# Altium PCB PCB.PcbDoc (continued)
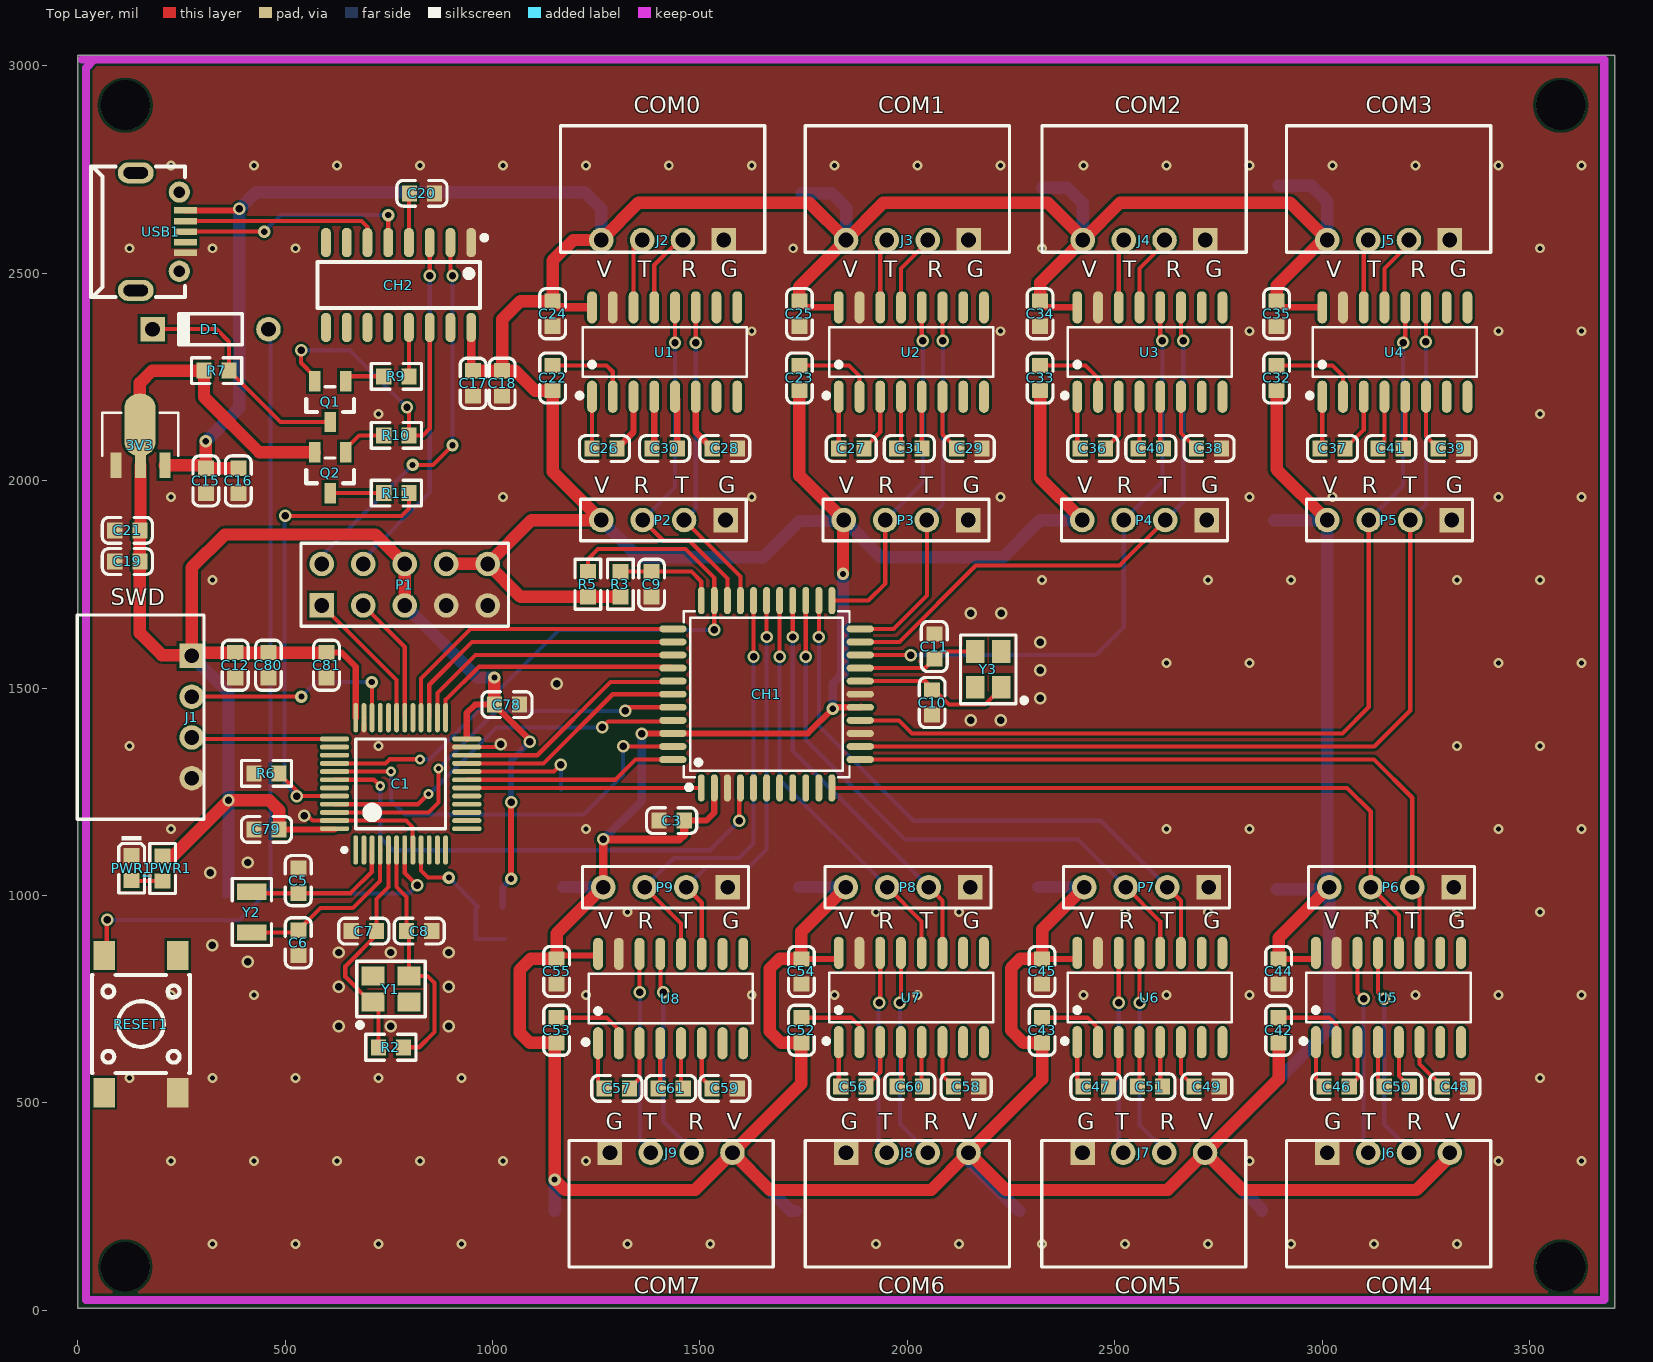
[diagram p0: Top Layer view]
## Part data
3V3: library part CJA1117B-ADJ, BOM_JLCPCB Part Class="Extended Part", BOM_Manufacturer=CJ, BOM_Manufacturer Part=CJA1117B-ADJ, BOM_Supplier=LCSC, BOM_Supplier Part=C107222, spicePre=U, spiceSymbolName=CJA1117B-ADJ
C1: "STM32 ARM-based 32-bit MCU with 64 Kbytes Flash, 48-pin LQFP, Industrial Temperature", ComponentLink1Description="Manufacturer Link", ComponentLink1URL=www.st.com/stm32, ComponentLink2Description=Datasheet, ComponentLink2URL=http://www.st.com/stonline/products/literature/ds/13587.pdf, DatasheetVersion="rev6, Mar-2008", PackageDescription="48-Pin Low-Profile Quad Flat Pack, 7 x 7 mm Body, 0.5 mm Pitch (LQFP48)", PackageReference=LQFP48, PackageVersion=Mar-2008, Published=30-May-2008, Publisher="Altium Limited"
C2 C9 C10 C11 C12 C14 C16 C18 C20 C21 C22 C23 C24 C25 C26 C27 C28 C29 C30 C31 C32 C33 C34 C35 C36 C37 C38 C39 C40 C41 C42 C43 C44 C45 C46 C47 C48 C49 C50 C51 C52 C53 C54 C55 C56 C57 C58 C59 C60 C61: library part "0603 100nF (104) 10% 50V", "贴片电容", Package=0603, SuppliersPartNumber=C14663, ComponentLink1Description=供应商, ComponentLink1URL=http://www.szlcsc.com/product/details_15331.html, Supplier=LC
C3 C4: library part "0603 100pF (101) 5% 50V", "贴片电容", Package=0603, SuppliersPartNumber=C14858, ComponentLink1Description=供应商, ComponentLink1URL=http://www.szlcsc.com/product/details_15530.html, Supplier=LC
C5 C6: library part "0603 10pF (100) 5% 50V", "贴片电容", Package=0603, SuppliersPartNumber=C1634, ComponentLink1Description=供应商, ComponentLink1URL=http://www.szlcsc.com/product/details_1986.html, Supplier=LC
C7 C8: library part "0603 22pF (220) 5% 50V", "贴片电容", Package=0603, SuppliersPartNumber=C1653, ComponentLink1Description=供应商, ComponentLink1URL=http://www.szlcsc.com/product/details_2005.html, Supplier=LC
C13 C17: library part "0603 10uF (106) 10% 10V", "贴片电容", Package=0603, SuppliersPartNumber=C19702, ComponentLink1Description=供应商, ComponentLink1URL=http://www.szlcsc.com/product/details_20411.html, Supplier=LC
C15 C19: library part "0603 22uF (226) 20% 6.3V", "贴片电容", Package=0603, SuppliersPartNumber=C59461, ComponentLink1Description=供应商, ComponentLink1URL=http://www.szlcsc.com/product/details_60514.html, Supplier=LC
C62 C63 C64 C65 C66 C67 C68 C69 C70 C71 C72 C73 C74 C75 C76 C77 C78 C79 C80 C81: library part "0603 1uF (105) 10% 50V", "贴片电容", Package=0603, SuppliersPartNumber=C15849, ComponentLink1Description=供应商, ComponentLink1URL=http://www.szlcsc.com/product/details_16531.html, Supplier=LC
CH2: library part CH340G_[C14267], "USB", Package=SOIC-16_150mil, SuppliersPartNumber=C14267, ComponentLink1Description=供应商, ComponentLink1URL=http://www.szlcsc.com/product/details_14927.html, Supplier=LC
D1: library part "Diode 1N4148", "High Conductance Fast Diode", Code_JEDEC=DO-204-AH, ComponentLink1Description="Manufacturer Link", ComponentLink1URL=http://www.fairchildsemi.com/, ComponentLink2Description=Datasheet, ComponentLink2URL=http://www.fairchildsemi.com/ds/1N%2F1N4148.pdf, DatasheetVersion=1997, LatestRevisionDate=17-Jul-2002, LatestRevisionNote="Re-released for DXP Platform.", PackageDescription="Diode, Axial; Body 3.8 x 1.9 mm (LxDia. max), Lead Dia. 0.53 mm (max)", PackageReference=DO-35, Published=8-Jun-2000, Publisher="Altium Limited"
P1: library part "Header 5X2A", "Header, 5-Pin, Dual row", LatestRevisionDate=17-Jul-2002, LatestRevisionNote="Re-released for DXP Platform.", Publisher="Altium Limited"
P2 P3 P4 P5 P6 P7 P8 P9: "Header, 4-Pin", LatestRevisionDate=17-Jul-2002, LatestRevisionNote="Re-released for DXP Platform.", Publisher="Altium Limited"
PWR1: library part "0603 蓝灯", "发光二极管", Package=0603, SuppliersPartNumber=C72041, ComponentLink1Description=供应商, ComponentLink1URL=http://www.szlcsc.com/product/details_73150.html, Supplier=LC
Q1: library part "SOT-23 SS8050 Y1", "三极管", Package=SOT-23, SuppliersPartNumber=C2150, ComponentLink1Description=供应商, ComponentLink1URL=http://www.szlcsc.com/product/details_2507.html, Supplier=LC
Q2: library part "SOT-23 SS8550 Y2", "三极管", Package=SOT-23, SuppliersPartNumber=C8542, ComponentLink1Description=供应商, ComponentLink1URL=http://www.szlcsc.com/product/details_9037.html, Supplier=LC
R1 R3 R4 R5 R6 R7 R8: library part "0603 10KΩ (1002) 1%", "贴片电阻", Package=0603, SuppliersPartNumber=C25804, ComponentLink1Description=供应商, ComponentLink1URL=http://www.szlcsc.com/product/details_26547.html, Supplier=LC
R2: library part "0603 1MΩ (1004) 1%", "贴片电阻", Package=0603, SuppliersPartNumber=C22935, ComponentLink1Description=供应商, ComponentLink1URL=http://www.szlcsc.com/product/details_23662.html, Supplier=LC
R9 R10 R11 R_PWR1: library part "0603 1KΩ (1001) 1%", "贴片电阻", Package=0603, SuppliersPartNumber=C21190, ComponentLink1Description=供应商, ComponentLink1URL=http://www.szlcsc.com/product/details_21904.html, Supplier=LC
RESET1: BOM_Manufacturer="XKB Connectivity(中国星", BOM_Manufacturer Part=TS-1102SD-C-C-B, BOM_Supplier=LCSC, BOM_Supplier Part=C2935209, Contributor=LCSC, spicePre=S, spiceSymbolName=TS-1102SD-C-C-B
U1 U2 U3 U4 U5 U6 U7 U8: BOM_JLCPCB Part Class="Extended Part", BOM_Manufacturer="Texas Instruments", BOM_Manufacturer Part=MAX232D, BOM_Supplier=LCSC, BOM_Supplier Part=C350552, Contributor=LCSC, spicePre=U, spiceSymbolName=MAX232D
USB1: BOM_JLCPCB Part Class="Extended Part", BOM_Manufacturer="SHOU HAN", BOM_Manufacturer Part=MicroXNJ, BOM_Supplier=LCSC, BOM_Supplier Part=C404969, Contributor=LCSC, spicePre=U, spiceSymbolName=MICROXNJ
Y1 Y3: library part "SMD-3225_4P  12MHZ 20PF 10PPM", "贴片晶振", Package=SMD-3225_4P, SuppliersPartNumber=C9002, ComponentLink1Description=供应商, ComponentLink1URL=http://www.szlcsc.com/product/details_9522.html, Supplier=LC
Y2: library part "SMD-3215_2P 32.768KHz 20ppm 12.5pF", "贴片晶振", Package=SMD-3215_2P, SuppliersPartNumber=C32346, ComponentLink1Description=供应商, ComponentLink1URL=http://www.szlcsc.com/product/details_33310.html, Supplier=LC

## Free pads (board coordinates)
  round 118.11 hole 120: 2(115,105) 2(115,2905) 2(3575,105) 2(3575,2905)

## Via types
v1: diameter 24, hole 12, Top Layer to Bottom Layer, 108 vias
v2: diameter 30, hole 18, Top Layer to Bottom Layer, tented both sides, 58 vias
v3: diameter 30, hole 15, Top Layer to Bottom Layer, tented both sides, 10 vias
v4: diameter 30, hole 18, Top Layer to Bottom Layer, 7 vias
v5: diameter 24, hole 12, Top Layer to Bottom Layer, tented both sides, 5 vias
v6: diameter 30, hole 15, Top Layer to Bottom Layer, 3 vias

## Nets (pads, with @x,y where several pads share a name; then routed paths per layer and width w, separated by ;. In a path a pad name is that pad's centre, name@x,y a point inside that pad or via, vN(x,y) a via of type N, cw(c..) or ccw(c..) an arc to the next point about the centre after c; other vN are vias at no path point)
3V3: 3V3.2 C1.24 C1.36 C1.48 C12.2 C19.2 C21.2 C78.2 C79.2 C80.2 C81.2 J1.1 P1.3 P1.8 Q2.2 R1.2 R4.2 R7.2 R_PWR1.1 | length 4817.2
  Top Layer w15: C79.2 C1.48@619.27,1159.07 ; C81.2 636.38,1585.32 670.45,1551.25 C1.36 ; C1.24 938.16,1440 958.16,1460 C78.2 1090,1374.68 v2(1090,1370) ; v3(1045,1040) v2(1045,1225) v2@1048.66,1221.34
  Top Layer w20: J1.1 J1.1@282.68,1585.32 ; C80.2 C80.2@470,1585.32
  Top Layer w30: 3V3.2@150.32,2134.37 150.32,2235.32 180,2265 R7.2 304.69,2201.5 437.92,2068.27 Q2.2 ; 3V3.2@151.66,2036.97 151.66,1881.35 C21.2 C19.2 150.32,1632.32 203.27,1579.37 J1.1@275,1579.37 ; R_PWR1.1 229.66,1095.32 v2(363.72,1229.37) 462.06,1229.37 485.63,1205.8 C79.2 ; J1.1 J1.1@275,1579.37 ; J1.1@282.68,1585.32 C12.2 C80.2 ; C80.2@470,1585.32 C81.2 ; P1.3 P1.8 717.77,1870 355,1870 275,1790 J1.1@275,1579.37 ; C78.2 v6(1004.69,1525.32)
  Bottom Layer w15: R1.2 R1.2@363.72,1009.03 ; R4.2 1025,1020 v3(1045,1040) ; v2(1045,1225) 1045,1325 v2(1090,1370)
  Bottom Layer w30: J1.1 363.72,1488.92 v2(363.72,1229.37) R1.2@363.72,1009.03 ; P1.3 962.46,1525.32 v6(1004.69,1525.32)
5V: 3V3.3 C3.2 C4.2 C15.2 C16.2 C17.2 C18.1 C22.1 C23.1 C24.1 C25.1 C32.1 C33.1 C34.1 C35.1 C42.1 C43.1 C44.1 C45.1 C52.1 C53.1 C54.1 C55.1 C62.2 C63.2 C64.2 C65.2 C66.2 C67.2 C68.2 C69.2 C70.2 C71.2 C72.2 C73.2 C74.2 C75.2 C76.2 C77.2 CH1.2 CH1.16 CH1.42 CH2.16 J2.4 J3.4 J4.4 J5.4 J6.4 J7.4 J8.4 J9.4 P1.9 P1.10 P2.4 P3.4 P4.4 P5.4 P6.4 P7.4 P8.4 P9.4 R3.2 R5.2 U1.16 U2.16 U3.16 U4.16 U5.16 U6.16 U7.16 U8.16 USB1.1 | length 21008.9
  Top Layer w15: USB1.1 386.18,2651.18 v2(390,2655) ; C17.2@948.72,2269.45 C17.2 ; C55.1 1162.75,855 1248.14,855 U8.16@1254.81,861.67 ; R3.2@1308.43,1719.88 R3.2 ; v2(1360,1390) 1360.51,1390.51 1760.51,1390.51 v6(1820,1450) 1823.5,1453.5 CH1.16 CH1.16@1888.07,1455 ; C3.2 1515.47,1180.47 1534.8,1199.8 CH1.2 ; C23.1@1734.69,2222.38 C23.1 ; C25.1 1755.12,2417.58 U2.16 ; C54.1 1834.49,847.06 1834.62,847.19 U7.16 ; P3.4@1845,1902.95 P3.4 ; C34.1 2335.12,2417.58 U3.16 ; C45.1 2404.69,847.06 2409.54,851.91 U6.16 ; C35.1 2905.12,2417.58 U4.16 ; C44.1 2984.81,847.06 U5.16
  Top Layer w20: C17.2@948.72,2269.45 CH2.16 ; C24.1 1160.12,2417.58 U1.16 ; P9.4 v2(1266.93,1135) 1450,1135 1462.31,1147.31 C3.2
  Top Layer w30: 3V3.3 301.67,2036.97 C15.2 ; v6(309.11,2095) C15.2 ; C16.2 C15.2 ; P1.9 P1.10 ; C17.2 C18.1 ; P9.4 1154.81,907.88 C55.1 1092.06,847.06 1065.32,820.32 1065.32,669.37 1090,644.69 C53.1 1149.81,639.69 v3(1149.81,315) 1174.81,290 1488.43,290 J9.4 ; R3.2@1308.43,1719.88 R5.2 1067.89,1719.88 P1.10 ; C23.1 1740,2011.81 P3.4 ; C25.1 1740,2467.52 J3.4 J3.4@1852.98,2580.5 ; v3(1845,1775) P3.4@1845,1902.95 ; P8.4 1744.81,913.07 C54.1 1692.06,847.06 1668.43,823.43 1668.43,672.44 1696.18,644.69 C52.1 1744.81,546.38 J9.4 ; J3.4@1853.59,2579.88 J3.4@1852.98,2580.5 ; C33.1 2320,2006.73 P4.4 ; C34.1 2320,2476.73 J4.4 J4.4@2425.83,2582.56 ; P7.4 2324.81,918.15 C45.1 2272.06,847.06 2250,825 2250,675 2280.31,644.69 C43.1 2324.81,557.17 J8.4 ; J4.4@2428.51,2579.88 J4.4@2425.83,2582.56 ; C32.1 2890,2027.13 P5.4 ; C35.1 2890,2469.53 3000.35,2579.88 J5.4 2922.24,2670 2513.27,2670 J4.4@2425.83,2582.56 ; C42.1 2894.81,557.17 J7.4 ; C44.1 2894.81,897.76 P6.4 ; J6.4 3307.64,370.59 3227.05,290 2807.64,290 J7.4 ; P1.10 1094.54,1904.88 P2.4 1145,2021.83 C22.1 1102.93,2217.07 1055.31,2264.69 C18.1 ; C18.1 1023.48,2388.48 1067.7,2432.7 C24.1 1145,2530 1194.88,2579.88 J2.4 1352.48,2670 1763.47,2670 J3.4@1852.98,2580.5 ; J9.4 1668.43,290 2057.64,290 J8.4 ; J3.4@1852.98,2580.5 1942.48,2670 2338.39,2670 J4.4@2425.83,2582.56 ; J8.4 2237.64,290 2627.64,290 J7.4
  Bottom Layer w15: J9.4@1581.75,385 J9.4@1586.03,385 ; P7.4@2417.29,1010.63 P7.4 ; P4.4 P4.4@2426.85,1909.88
  Bottom Layer w20: v2(1266.93,1135) 1360,1228.07 v2(1360,1390) ; v6(1820,1450) 1820,1510.63 C4.2
  Bottom Layer w30: v6(309.11,2095) 390,2175.89 v2(390,2655) 430.2,2695.2 C62.2 1222.16,2695.2 1262.36,2655 J2.4 ; P1.10 1094.34,1904.68 C70.2 1261.75,1904.68 P2.4 1351.83,1815 1652.38,1815 C71.2 1844.67,1902.62 P3.4 1936.81,1815 2230.32,1815 C72.2 2421.65,1904.68 P4.4 ; C69.2 v3(1149.81,315) ; C77.2 1266.62,1020.31 P9.4 ; J9.4 1719.13,239.29 C68.2 ; C76.2 1851.42,1020.31 P8.4 ; C63.2 1817.24,2692.76 1852.36,2657.64 J3.4 ; C4.2 1845,1535.63 v3(1845,1775) ; J8.4 2147.64,361.27 C67.2 ; C75.2 2426.34,1020.31 P7.4 ; C64.2 2386.15,2705.51 2423.15,2668.51 J4.4 ; C66.2 2854.62,243.02 J7.4 3017.05,679.41 P6.4 ; C73.2 2885.2,1904.88 P5.4 3012.24,1024.81 P6.4 ; C74.2 3012.37,1015.31 P6.4 ; C65.2 2974.8,2710.2 3012.36,2672.64 J5.4
A6/ALE: C1.42 CH1.4 | length 1229
  Top Layer w10: C1.42 714.66,1278.9 v5(729.5,1264.06) ; v2(1595,1180) 1595,1256.42 CH1.4
  Bottom Layer w10: v5(729.5,1264.06) 729.5,1139.29 759.79,1109 1524,1109 v2(1595,1180)
BOOT0: C1.44 R6.1 R11.1 | length 1203
  Top Layer w10: R6.1 528.72,1251.29 v2(528.72,1239.53) C1.44 ; v2(500,1915) 780.63,1915 798.72,1933.08 R11.1
  Bottom Layer w10: v2@508.4,1915 v2(500,1915) 498.72,1913.72 498.72,1269.53 v2(528.72,1239.53)
BOOT1: C1.20 R8.1 | length 294.1
  Top Layer w10: C1.20 1148.58,1298.58 v2(1165,1315)
  Bottom Layer w10: R8.1 1165.32,1314.69 v2(1165,1315) v2@1165.32,1315
"CH340 D+": CH2.5 USB1.3 | length 571.7
  Top Layer w10: USB1.3 v3(450,2600) ; CH2.5 748.72,2639.93 v3(748.79,2640)
  Bottom Layer w10: v3(450,2600) 490,2640 v3(748.79,2640)
"CH340 D-": CH2.6 USB1.2 | length 482.6
  Top Layer w10: USB1.2 438.82,2625.59 439.23,2626 460.77,2626 461.18,2625.59 684.41,2625.59 698.72,2611.29 CH2.6
CS#: C1.41 CH1.43 | length 1009.9
  Top Layer w10: C1.41 619.74,1299.06 v5(755.32,1299.06) ; v2(1315,1359.69) 1315.67,1359.02 CH1.43
  Bottom Layer w10: v5@755.63,1299.06 v5(755.32,1299.06) 755.32,1228.71 789.03,1195 1220,1195 1315,1290 v2(1315,1359.69)
D0: C1.45 CH1.41 | length 899.5
  Top Layer w10: C1.45 820.79,1219.84 v5(845.32,1244.37) ; v2(1265,1405) 1279,1419 1431.99,1419 CH1.41
  Bottom Layer w10: v5(845.32,1244.37) 848.62,1244.37 1009.25,1405 v2(1265,1405)
D1: C1.46 CH1.40 | length 968.2
  Top Layer w10: C1.46 846.1,1200.16 870.32,1224.37 v5(870.32,1305.5) ; v2(1320,1445) 1328.5,1453.5 CH1.40
  Bottom Layer w10: v5(870.32,1305.5) 1009.19,1444.37 1319.37,1444.37 v2(1320,1445)
D2: C1.21 CH1.39 | length 565.9
  Top Layer w10: C1.21 1123.27,1318.27 1290,1485 CH1.39
D3: C1.22 CH1.38 | length 570.8
  Top Layer w10: C1.22 1107.95,1337.95 1284.36,1514.36 1432.87,1514.36 CH1.38
D4: C1.25 CH1.37 | length 627.5
  Top Layer w10: C1.25 886.98,1472.32 888.27,1472.32 967.26,1551.32 1431.68,1551.32 CH1.37 CH1.37@1435,1549.53
D5: C1.26 CH1.36 | length 664.9
  Top Layer w10: C1.26 867.3,1487.64 959.15,1579.49 CH1.36
D6: C1.27 CH1.35 | length 709.5
  Top Layer w10: C1.27 847.61,1507.95 950.64,1610.98 CH1.35
D7: C1.28 CH1.34 | length 751.2
  Top Layer w10: C1.28 827.93,1523.27 947.14,1642.48 CH1.34
GND: 3V3.1 C1.8 C1.23 C1.35 C1.47 C2.2 C3.1 C4.1 C5.2 C6.2 C7.1 C8.1 C9.1 C10.1 C11.1 C12.1 C13.1 C14.2 C15.1 C16.1 C17.1 C18.2 C19.1 C20.1 C21.1 C24.2 C25.2 C28.1 C29.1 C34.2 C35.2 C38.1 C39.1 C44.2 C45.2 C48.1 C49.1 C54.2 C55.2 C58.1 C59.1 C62.1 C63.1 C64.1 C65.1 C66.1 C67.1 C68.1 C69.1 C70.1 C71.1 C72.1 C73.1 C74.1 C75.1 C76.1 C77.1 C78.1 C79.1 C80.1 C81.1 CH1.3 CH1.14 CH1.17 CH2.1 J1.4 J2.1 J3.1 J4.1 J5.1 J6.1 J7.1 J8.1 J9.1 P1.4 P1.5 P2.1 P3.1 P4.1 P5.1 P6.1 P7.1 P8.1 P9.1 PWR1.K R6.2 R8.2 RESET1.2 U1.15 U2.15 U3.15 U4.15 U5.15 U6.15 U7.15 U8.15 USB1.5 | length 413.9
  Top Layer w10: v2(546.62,1192.05) 554.53,1192.05 566.1,1180.47 C1.47 792.1,1180.47 807.46,1165.11 807.46,1110.39 C1.8 ; C1.35 C1.35@690.91,1427.72 ; C1.23 1013.58,1357.64 v2(1020.32,1364.37)
  other v1: 325,160 525,160 725,160 925,160 1325,160 1525,160 1925,160 2125,160 2325,160 2525,160 2725,160 2925,160 3125,160 3325,160 225,360 425,360 625,360 825,360 1025,360 1225,360 2825,360 3425,360 3625,360 125,560 325,560 525,560 725,560 925,560 3525,560 225,760 425,760 1225,760 1625,760 1825,760 2025,760 2425,760 2625,760 2825,760 3225,760 3425,760 3625,760 1325,960 1925,960 2125,960 2525,960 2725,960 3125,960 3325,960 3525,960 225,1160 1225,1160 2625,1160 2825,1160 3425,1160 3625,1160 125,1360 725,1360 3325,1360 3525,1360 2625,1560 2825,1560 3425,1560 3625,1560 325,1760 2325,1760 2725,1760 2925,1760 3325,1760 3525,1760 225,1960 1025,1960 1625,1960 2225,1960 2825,1960 3025,1960 3425,1960 3625,1960 725,2160 3525,2160 1625,2360 2225,2360 2825,2360 3425,2360 3625,2360 125,2560 325,2560 525,2560 1725,2560 2325,2560 3525,2560 225,2760 425,2760 625,2760 825,2760 1025,2760 1225,2760 1425,2760 1625,2760 1825,2760 2025,2760 2225,2760 2425,2760 2625,2760 2825,2760 3025,2760 3225,2760 3425,2760 3625,2760
  other v2: 630.03,684.37 755.32,684.37 895,684.37 630.03,780 895,780 410,840 630.03,862.43 755.32,862.43 895,862.43 325,880 320,1054.61 410.32,1079.37 1155,1510
  other v4: 2153.01,1422.01 2225,1422.01 2320,1475 2320,1542.43 2320,1610 2153.01,1680 2226.5,1680.61
INT: C1.40 CH1.32 R5.1 | length 1547.8
  Top Layer w10: C1.40 742,1318.27 751.84,1328.11 v5(825.32,1328.11) ; R5.1 1230,1810.46 1254.54,1835 1465,1835 1534.8,1765.2 CH1.32 v2(1534.8,1640)
  Bottom Layer w10: v5(825.32,1328.11) 848.11,1328.11 1160,1640 v2(1534.8,1640)
NetC1_9: C1.9 C13.2 C14.1 R4.1 | length 372.2
  Top Layer w10: C1.9 827.93,1059.84 844.66,1043.11 v3(895,1043.11)
  Bottom Layer w10: v3(895,1043.11) R4.1 959.69,969.06 C14.1 C13.2
NetC20_2: C20.2 CH2.4 | length 123.8
  Top Layer w10: C20.2@798.62,2697.5 798.72,2697.4 CH2.4
NetC22_2: C22.2 U1.2 | length 211.5
  Top Layer w10: C22.2 1274.69,2277.7 1290,2262.38 U1.2
NetC23_2: C23.2 U2.2 | length 205.5
  Top Layer w10: C23.2 1859.49,2277.7 1884.81,2252.38 U2.2
NetC26_1: C26.1 U1.3 | length 141.2
  Top Layer w15: C26.1 1340,2117.07 U1.3
NetC26_2: C26.2 U1.1 | length 124.9
  Top Layer w10: C26.2 1240,2077.7 U1.1
NetC27_1: C27.1 U2.3 | length 141.2
  Top Layer w10: C27.1 1934.81,2116.87 U2.3
NetC27_2: C27.2 U2.1 | length 124.9
  Top Layer w10: C27.2 1834.69,2202.06 U2.1
NetC28_2: C28.2 U1.6 | length 141.2
  Top Layer w15: U1.6 1490,2117.07 C28.2
NetC29_2: C29.2 U2.6 | length 139
  Top Layer w10: U2.6 2084.81,2111.67 C29.2
NetC30_1: C30.1 U1.5 | length 127
  Top Layer w15: U1.5 1445.32,2196.87 C30.1
NetC30_2: C30.2 U1.4 | length 127
  Top Layer w15: C30.2 1390,2082.7 U1.4
NetC31_1: C31.1 U2.5 | length 125
  Top Layer w10: U2.5 2034.81,2077.89 C31.1
NetC31_2: C31.2 U2.4 | length 129
  Top Layer w10: C31.2 1984.81,2087.5 U2.4
NetC32_2: C32.2 U4.2 | length 220.7
  Top Layer w10: C32.2 3024.69,2277.7 3050.12,2252.26 U4.2
NetC33_2: C33.2 U3.2 | length 197.6
  Top Layer w10: C33.2 2429.69,2277.7 2459.73,2247.65 U3.2
NetC36_1: C36.1 U3.3 | length 138.2
  Top Layer w10: C36.1 2509.73,2109.63 U3.3
NetC36_2: C36.2 U3.1 | length 127.8
  Top Layer w10: U3.1 2409.73,2084.5 C36.2
NetC37_1: C37.1 U4.3 | length 143.4
  Top Layer w10: C37.1 3100.12,2122.19 U4.3
NetC37_2: C37.2 U4.1 | length 127.1
  Top Layer w10: C37.2 3000.12,2082.82 U4.1
NetC38_2: C38.2 U3.6 | length 140.2
  Top Layer w10: U3.6 2659.73,2114.5 C38.2
NetC39_2: C39.2 U4.6 | length 137
  Top Layer w10: U4.6 3250.12,2106.94 C39.2
NetC40_1: C40.1 U3.5 | length 128
  Top Layer w10: U3.5 2609.73,2085.13 C40.1
NetC40_2: C40.2 U3.4 | length 126
  Top Layer w10: C40.2 2559.73,2080.26 U3.4
NetC41_1: C41.1 U4.5 | length 126.8
  Top Layer w10: C41.1 3200.12,2082.19 U4.5
NetC41_2: C41.2 U4.4 | length 131.2
  Top Layer w10: C41.2 3150.12,2092.82 U4.4
NetC42_2: C42.2 U5.2 | length 188.5
  Top Layer w10: C42.2 3016.74,705.32 3034.81,687.24 U5.2
NetC43_2: C43.2 U6.2 | length 145.1
  Top Layer w10: C43.2 2434.49,705.32 U6.2@2459.54,680.27
NetC46_1: C46.1 U5.3 | length 115.1
  Top Layer w10: C46.1 3084.81,558.98 U5.3
NetC46_2: C46.2 U5.1 | length 115.1
  Top Layer w10: U5.1 2984.81,558.98 C46.2
NetC47_1: C47.1 U6.3 | length 117.2
  Top Layer w10: C47.1 2509.54,564.02 U6.3
NetC47_2: C47.2 U6.1 | length 113.1
  Top Layer w10: U6.1 2409.54,553.93 C47.2
NetC48_2: C48.2 U5.6 | length 129.6
  Top Layer w10: U5.6 3234.81,593.98 C48.2
NetC49_2: C49.2 U6.6 | length 120.2
  Top Layer w10: U6.6 2659.54,571.1 C49.2
NetC50_1: C50.1 U5.5 | length 117.5
  Top Layer w10: U5.5 3184.81,564.61 C50.1
NetC50_2: C50.2 U5.4 | length 113.1
  Top Layer w10: U5.4 3134.81,553.98 C50.2
NetC51_1: C51.1 U6.5 | length 109.3
  Top Layer w10: U6.5 2609.54,544.88 C51.1
NetC51_2: C51.2 U6.4 | length 109.1
  Top Layer w10: C51.2 2559.54,544.33 U6.4
NetC52_2: C52.2 U7.2 | length 187.1
  Top Layer w10: C52.2 1864.49,705.32 1884.62,685.19 U7.2
NetC53_2: C53.2 U8.2 | length 193.8
  Top Layer w10: C53.2 1274.68,705.32 1304.54,675.46 U8.2
NetC56_1: C56.1 U7.3 | length 121.3
  Top Layer w10: C56.1 1934.62,573.78 U7.3
NetC56_2: C56.2 U7.1 | length 109
  Top Layer w10: U7.1 1834.62,544.17 C56.2
NetC57_1: C57.1 U8.3 | length 118.9
  Top Layer w10: C57.1 1354.54,559.42 U8.3
NetC57_2: C57.2 U8.1 | length 115
  Top Layer w10: U8.1 1254.54,549.95 C57.2
NetC58_2: C58.2 U7.6 | length 118.1
  Top Layer w10: U7.6 2084.62,566.1 C58.2
NetC59_2: C59.2 U8.6 | length 119.1
  Top Layer w10: U8.6 1504.54,559.95 C59.2
NetC60_1: C60.1 U7.5 | length 107.7
  Top Layer w10: U7.5 2034.62,541.05 C60.1
NetC60_2: C60.2 U7.4 | length 110.7
  Top Layer w10: C60.2 1984.62,548.16 U7.4
NetC61_1: C61.1 U8.5 | length 111.1
  Top Layer w10: U8.5 1454.54,540.58 C61.1
NetC61_2: C61.2 U8.4 | length 110.9
  Top Layer w10: C61.2 1404.54,540.05 U8.4
NetCH2_13: CH2.13 R9.2 | length 117.8
  Top Layer w10: CH2.13 798.72,2251.71 R9.2@799.03,2251.39
NetCH2_14: CH2.14 Q1.2 R10.2 | length 756.5
  Top Layer w10: v2(538.72,2314.06) 538.72,2283.99 Q1.2@571.31,2251.39 ; v2@798.72,2164.06 R10.2 832.65,2109.09 848.72,2125.16 CH2.14@848.72,2381.69
  Bottom Layer w10: v2(538.72,2314.06) 656.64,2314.06 v2(794.03,2176.66)
NetD1_2: D1.2 Q1.3 R7.1 | length 566.5
  Top Layer w10: D1.2 335,2365 365.32,2334.68 R7.1 489.02,2141.29 597.04,2141.29 Q1.3@608.72,2152.97
NetPWR1_A: PWR1.A R_PWR1.2 | length 75.4
  Top Layer w10: PWR1.A@131.04,1034.69 R_PWR1.2
  Top Layer w15: PWR1.A PWR1.A@131.04,1034.69
NetQ1_1: Q1.1 R9.1 | length 92.3
  Top Layer w10: Q1.1@646.12,2251.39 R9.1 R9.1@738.4,2251.39
NetQ2_1: Q2.1 R10.1 | length 113.7
  Top Layer w10: Q2.1 646.12,2076.46 678.75,2109.09 R10.1
NetQ2_3: Q2.3 R11.2 | length 150.5
  Top Layer w10: Q2.3@608.72,1954.06 Q2.3 R11.2 R11.2@743.4,1969.84
OSC32_IN: C1.3 C5.1 Y2.2 | length 365
  Top Layer w10: Y2.2 423.81,1005.41 C5.1 657.52,1005.41 709.04,1056.92 709.04,1108.83 C1.3
OSC32_OUT: C1.4 C6.1 Y2.1 | length 435.3
  Top Layer w10: Y2.1 526.66,910.79 C6.1 585.25,969.37 663.4,969.37 728.72,1034.69 728.72,1108.83 C1.4
OSC_IN: C1.5 C7.2 R2.1 Y1.1 | length 554.9
  Top Layer w10: R2.1 725,729.88 Y1.1 706.42,742.87 645.32,803.98 645.32,829.37 720.32,904.37 C7.2 720.32,991.6 749.19,1020.47 C1.5
OSC_OUT: C1.6 C8.2 R2.2 Y1.3 | length 593
  Top Layer w10: C1.6 768.87,1020.81 793.09,996.6 C8.2 798.62,908.52 Y1.3 843.82,805.87 860.32,789.37 860.32,670.87 823.5,634.06 R2.2
PA9: C1.30 P1.2 | length 311.9
  Top Layer w10: P1.2 788.56,1599.21 C1.30
PA10: C1.31 P1.1 | length 345.2
  Top Layer w10: P1.1 768.87,1518.9 C1.31
RD#: C1.19 CH1.44 | length 517
  Top Layer w10: C1.19 1117.92,1278.9 1118.02,1279 1296.48,1279 1345,1327.52 CH1.44
RESET: C1.7 C2.1 D1.1 R1.1 RESET1.3 | length 2356.7
  Top Layer w10: RESET1.3@60.89,854.72 70.32,864.14 70.32,940 v2(71.32,941) ; C1.7 788.56,1054.21 v2(818.72,1024.06)
  Bottom Layer w10: v2(71.32,941) 353.69,941 R1.1 389.03,939.69 C2.1 ; D1.1@464.76,2385 464.76,2365 464.76,1015.42 C2.1 ; v2(818.72,1024.06) 799.03,1004.37 C2.1
RST#: C9.2 CH1.33 R3.1 | length 250.6
  Top Layer w10: R3.1 1383.43,1780.44 C9.2 1479.49,1780.51 1503.31,1756.69 CH1.33
RXD: CH2.3 P1.7 | length 841
  Top Layer w10: v2(848.72,2494.06) CH2.3
  Bottom Layer w10: P1.7 688.72,1810.87 848.72,1970.87 v2(848.72,2494.06)
RXD0: CH1.31 P2.3 U1.12 | length 860.8
  Top Layer w10: P2.3 1411.83,1855 1475,1855 1566.3,1763.7 CH1.31 ; v2(1440,2332.38) U1.12
  Bottom Layer w10: P2.3 1440,1982.94 v2(1440,2332.38)
RXD0_232: J2.2 U1.13 | length 201.4
  Top Layer w10: U1.13 1390,2520 J2.2@1460,2590
RXD1: CH1.23 P3.3 U2.12 | length 850
  Top Layer w10: CH1.23 1905.79,1710.79 1946.93,1751.93 P3.3 ; U2.12 2034.81,2340.05 v2(2037.47,2337.38)
  Bottom Layer w10: P3.3 2037.47,1995.43 v2(2037.47,2337.38)
RXD1_232: J3.2 U2.13 | length 190.8
  Top Layer w10: U2.13 1984.81,2511.1 J3.2@2053.59,2579.88
RXD2: CH1.20 P4.3 U3.12 | length 1465.9
  Top Layer w10: CH1.20@1895.43,1579.37 v2(2008.56,1579.37) ; U3.12 2609.73,2342.65 v2(2615,2337.38)
  Bottom Layer w10: v2(2008.56,1579.37) 2454.37,1579.37 2521.85,1646.85 P4.3 2615,1998.03 v2(2615,2337.38)
RXD2_232: J4.2 U3.13 | length 190.8
  Top Layer w10: U3.13 2559.73,2511.1 J4.2@2628.51,2579.88
RXD3: CH1.15 P5.3 U4.12 | length 2264.8
  Top Layer w10: CH1.15 1980.26,1422.01 2011.54,1390.73 3049.04,1390.73 3112.24,1453.94 P5.3 ; v2(3195,2332.38) 3200.12,2337.5 U4.12
  Bottom Layer w10: P5.3 3195,1987.64 v2(3195,2332.38)
RXD3_232: J5.2 U4.13 | length 190.8
  Top Layer w10: U4.13 3150.12,2511.1 J5.2@3218.9,2579.88
RXD4: CH1.11 P6.3 U5.12 | length 1691
  Top Layer w10: CH1.11 3060,1259.21 3117.05,1202.16 P6.3 3184.81,952.24 U5.12
RXD4_232: J6.3 U5.13 | length 508.7
  Top Layer w10: U5.13 3134.81,766.46 v2(3149.79,751.48)
  Bottom Layer w10: v2(3149.79,751.48) 3149.79,447.26 J6.3@3212.05,385
RXD5: CH1.25 P7.3 U6.12 | length 1447.3
  Top Layer w10: v2(1755.28,1575) CH1.25 ; P7.3 2609.54,937.12 U6.12
  Bottom Layer w10: v2(1755.28,1575) 1755.28,1374.3 1994.58,1135 2411.66,1135 P7.3
RXD5_232: J7.3 U6.13 | length 502.4
  Top Layer w10: U6.13 2559.54,742.06 v2(2559.81,741.79)
  Bottom Layer w10: v2(2559.81,741.79) 2559.81,446.85 J7.3@2621.66,385
RXD6: CH1.27 P8.3 U7.12 | length 998.2
  Top Layer w10: v2@1692.28,1570 v2(1692.28,1575) 1692.28,1705.35 1695,1708.07 CH1.27 ; P8.3 2034.62,937.12 U7.12
  Bottom Layer w10: v2(1692.28,1575) 1692.28,1279.45 P8.3
RXD6_232: J8.3 U7.13 | length 504.3
  Top Layer w10: v2(1982.27,741.79) 1984.62,744.13 U7.13
  Bottom Layer w10: v2(1982.27,741.79) 1982.27,449.47 J8.3@2046.74,385
RXD7: CH1.29 P9.3 U8.12 | length 1093.7
  Top Layer w10: P9.3 1454.54,932.39 U8.12 ; v2@1629.29,1570 v2(1629.29,1575) CH1.29
  Bottom Layer w10: P9.3 1436.93,1090 1594.21,1090 1629.29,1125.08 v2(1629.29,1575)
RXD7_232: J9.3 U8.13 | length 511.1
  Top Layer w10: U8.13@1404.81,861.67 1404.81,768.96 1407.29,766.48 v2(1411.61,766.48)
  Bottom Layer w10: v2(1411.61,766.48) 1411.61,455.14 J9.3@1481.75,385
SWCLK: C1.37 J1.3 | length 339.8
  Top Layer w10: J1.3@280.32,1379.37 282.36,1377.32 C1.37
SWDIO: C1.34 J1.2 | length 533.7
  Top Layer w10: J1.2@276.27,1479.37 v3(539.37,1479.37) ; v3(709.04,1514.36) 709.82,1513.58 709.82,1479.82 ; C1.34 709.82,1479.82 ; 710,1480 709.82,1479.82
  Bottom Layer w10: v3(539.37,1479.37) 574.36,1514.36 v3(709.04,1514.36)
TXD: CH2.2 P1.6 | length 935.9
  Top Layer w10: v3(807.46,2037.66) 856.38,2037.66 v3(903.72,2085) ; CH2.2 898.72,2499.06 v2(903.72,2494.06)
  Bottom Layer w10: P1.6 588.72,1818.91 v3(807.46,2037.66) ; v3(903.72,2085) v2(903.72,2494.06)
TXD0: CH1.30 P2.2 U1.11 | length 774.7
  Top Layer w10: P2.2 1597.8,1769.03 CH1.30 ; v2(1490,2332.38) U1.11
  Bottom Layer w10: P2.2 1490,1932.94 v2(1490,2332.38)
TXD0_232: J2.3 U1.14 | length 181.4
  Top Layer w10: U1.14 1340,2568.43 J2.3@1361.57,2590
TXD1: CH1.22 P3.2 U2.11 | length 896.6
  Top Layer w10: CH1.22 1967.2,1642.48 2047.68,1722.96 2047.68,1888.13 P3.2@2030.93,1904.88 ; U2.11 2084.81,2338.48 v2(2085.91,2337.38)
  Bottom Layer w10: P3.2@2058.24,1916.2 2085.91,1943.86 v2(2085.91,2337.38)
TXD1_232: J3.3 U2.14 | length 170.1
  Top Layer w10: U2.14 1934.81,2561.1 J3.3@1953.59,2579.88
TXD2: CH1.21 P4.2 U3.11 | length 1373.8
  Top Layer w10: CH1.21 1980.98,1610.98 2165,1795 2511.97,1795 P4.2 ; U3.11 2659.73,2342.65 v2(2665,2337.38)
  Bottom Layer w10: P4.2@2633.16,1916.2 2665,1948.03 v2(2665,2337.38)
TXD2_232: J4.3 U3.14 | length 170.1
  Top Layer w10: U3.14 2509.73,2561.1 J4.3@2528.51,2579.88
TXD3: CH1.13 P5.2 U4.11 | length 2349.3
  Top Layer w10: CH1.13 3125.51,1359.02 3212.24,1445.75 P5.2 ; v2(3250.12,2334.88) U4.11
  Bottom Layer w10: P5.2 3250.12,1942.76 v2(3250.12,2334.88) v2@3250,2334.75
TXD3_232: J5.3 U4.14 | length 170.1
  Top Layer w10: U4.14 3100.12,2561.1 J5.3@3118.9,2579.88
TXD4: CH1.12 P6.2 U5.11 | length 1749.8
  Top Layer w10: CH1.12 3125,1327.52 3217.05,1235.47 P6.2 3234.81,1002.24 U5.11
TXD4_232: J6.2 U5.14 | length 488
  Top Layer w10: U5.14 3084.81,766.46 v2(3099.79,751.48)
  Bottom Layer w10: v2(3099.79,751.48) 3099.79,397.26 J6.2@3112.05,385
TXD5: CH1.24 P7.2 U6.11 | length 1475.2
  Top Layer w10: v2(1786.77,1622.99) CH1.24 ; P7.2 2659.54,987.12 U6.11
  Bottom Layer w10: v2(1786.77,1622.99) 1786.77,1408.23 2015,1180 2466.66,1180 P7.2
TXD5_232: J7.2 U6.14 | length 481.7
  Top Layer w10: U6.14 2509.54,742.06 v2(2509.81,741.79)
  Bottom Layer w10: v2(2509.81,741.79) 2509.81,396.85 J7.2@2521.66,385
TXD6: CH1.26 P8.2 U7.11 | length 981.6
  Top Layer w10: 1723.78,1640 CH1.26 ; P8.2 2084.62,987.12 U7.11
  Bottom Layer w10: v2(1723.78,1622.99) 1723.78,1347.96 P8.2
TXD6_232: J8.2 U7.14 | length 478.3
  Top Layer w10: v2(1932.27,741.79) 1934.62,744.13 U7.14
  Bottom Layer w10: J8.2@1930.74,385 1930.74,740.26 v2(1932.27,741.79)
TXD7: CH1.28 P9.2 U8.11 | length 995.8
  Top Layer w10: P9.2 1504.54,982.39 U8.11 ; 1660.79,1640 CH1.28
  Bottom Layer w10: P9.2 1516.93,1070 1620,1070 1660.79,1110.79 v2(1660.79,1622.99) v2@1657.29,1619.5
TXD7_232: J9.2 U8.14 | length 487.8
  Top Layer w10: U8.14@1354.81,861.67 1354.81,766.99 v2(1355.32,766.48)
  Bottom Layer w10: v2(1355.32,766.48) 1355.32,411.43 J9.2@1381.75,385
WR#: C1.18 CH1.1 | length 565.1
  Top Layer w10: C1.18 CH1.1
XI: C10.2 CH1.18 Y3.1 | length 401.8
  Top Layer w10: CH1.18@1867.01,1516.5 CH1.18 2043.82,1516.5 2065,1495.31 2100.32,1460 2187.56,1460 2226.5,1498.93 Y3.1
XO: C11.2 CH1.19 Y3.3 | length 293.6
  Top Layer w10: CH1.19 2043.31,1547.99 C11.2 2083.62,1588.31 Y3.3
pads on no net: C1.1 C1.2 C1.10 C1.11 C1.12 C1.13 C1.14 C1.15 C1.16 C1.17 C1.29 C1.32 C1.33 C1.38 C1.39 C1.43 CH1.5 CH1.6 CH1.7 CH1.8 CH1.9 CH1.10 CH2.7 CH2.8 CH2.9 CH2.10 CH2.11 CH2.12 CH2.15 RESET1.1 RESET1.4 U1.7 U1.8 U1.9 U1.10 U2.7 U2.8 U2.9 U2.10 U3.7 U3.8 U3.9 U3.10 U4.7 U4.8 U4.9 U4.10 U5.7 U5.8 U5.9 U5.10 U6.7 U6.8 U6.9 U6.10 U7.7 U7.8 U7.9 U7.10 U8.7 U8.8 U8.9 U8.10 USB1.4 USB1.6 USB1.7 USB1.8 USB1.9 Y1.2 Y1.4 Y3.2 Y3.4

## Polygon pours and split planes (outlines as drawn)
GND on Bottom Layer "Bottom Layer-GND" (solid, remove dead copper, pour order 12): 20.02,3025 3705,3025 3705,5 29.79,5
GND on Top Layer "Top Layer-GND" (solid, remove dead copper, pour order 10): 25,3025 3705,3025 3705,5 25,5

## Keep-outs
Keep-Out Layer:
  lines w20: 10,3015 3680,3015 3680,25 20,25 20,2995 40,3015

## Silkscreen, mask and mechanical layers (free items; w line width, h text height)
Top Overlay:
  text "COM0" at 1340,2885 h40
  text "COM1" at 1930,2885 h40
  text "COM2" at 2500,2885 h40
  text "COM3" at 3104.57,2885 h40
  text "V" at 1251.66,2490.12 h40
  text "T" at 1350.52,2490.12 h40
  text "R" at 1455,2490.12 h40
  text "G" at 1550,2490.12 h40
  text "V" at 1844.7,2490.12 h40
  text "T" at 1943.56,2490.12 h40
  text "R" at 2048.04,2490.12 h40
  text "G" at 2143.04,2490.12 h40
  text "V" at 2420,2490.12 h40
  text "T" at 2518.86,2490.12 h40
  text "R" at 2623.34,2490.12 h40
  text "G" at 2718.34,2490.12 h40
  text "V" at 3009.25,2490.12 h40
  text "T" at 3108.11,2490.12 h40
  text "R" at 3212.59,2490.12 h40
  text "G" at 3307.59,2490.12 h40
  text "V" at 1245.91,1970 h40
  text "R" at 1340.79,1970 h40
  text "T" at 1440.79,1970 h40
  text "G" at 1544.25,1970 h40
  text "V" at 1835,1970 h40
  text "R" at 1929.88,1970 h40
  text "T" at 2029.88,1970 h40
  text "G" at 2133.34,1970 h40
  text "V" at 2409.73,1970 h40
  text "R" at 2504.61,1970 h40
  text "T" at 2604.61,1970 h40
  text "G" at 2708.07,1970 h40
  text "V" at 3000.12,1970 h40
  text "R" at 3095,1970 h40
  text "T" at 3195,1970 h40
  text "G" at 3298.46,1970 h40
  text "SWD" at 80,1699.06 h40
  text "V" at 1255.12,920.12 h40
  text "R" at 1350,920.12 h40
  text "T" at 1450,920.12 h40
  text "G" at 1553.46,920.12 h40
  text "V" at 1835,920.12 h40
  text "R" at 1929.88,920.12 h40
  text "T" at 2029.88,920.12 h40
  text "G" at 2133.34,920.12 h40
  text "V" at 2415,920.12 h40
  text "R" at 2509.88,920.12 h40
  text "T" at 2609.88,920.12 h40
  text "G" at 2713.34,920.12 h40
  text "V" at 3005,920.12 h40
  text "R" at 3099.88,920.12 h40
  text "T" at 3199.88,920.12 h40
  text "G" at 3303.34,920.12 h40
  text "G" at 1272.63,435 h40
  text "T" at 1364.08,435 h40
  text "R" at 1471.84,435 h40
  text "V" at 1564.81,435 h40
  text "G" at 1840,435 h40
  text "T" at 1931.45,435 h40
  text "R" at 2039.21,435 h40
  text "V" at 2132.18,435 h40
  text "G" at 2409.54,435 h40
  text "T" at 2500.99,435 h40
  text "R" at 2608.75,435 h40
  text "V" at 2701.72,435 h40
  text "G" at 3005,435 h40
  text "T" at 3096.45,435 h40
  text "R" at 3204.21,435 h40
  text "V" at 3297.18,435 h40
  text "COM7" at 1340,40 h40
  text "COM6" at 1930,40 h40
  text "COM5" at 2500,40 h40
  text "COM4" at 3104.57,40 h40
Bottom Overlay:
  text "TX" at 624.55,1863.29 h40
  text "RX" at 717.03,1863.29 h40
  text "3V3" at 840,1863.29 h40
  text "5V" at 927.03,1863.29 h40
  text "5V" at 1022.03,1863.29 h40
  text "PA10" at 615,1595 h40
  text "PA9" at 747.39,1595 h40
  text "3V3" at 868.77,1595 h40
  text "G" at 914.05,1595 h40
  text "G" at 1006.63,1595 h40
  text "3v3" at 145.03,1560 h40
  text "SWDIO" at 218.34,1460 h40
  text "SWCLK" at 225,1355 h40
  text "GND" at 145.03,1260 h40
  text "CH438转接板" at 844.83,365 h80
  text "制板人：后羿" at 844.83,285 h80
  text "2022年5月16日" at 845,210 h80
Mechanical 1:
  the board outline again, w20